# Altium PCB GridSeed_Rev04.PcbDoc (part 3 of 6)
Units mm, origin at the board's own origin, x right, y up, seen from the top; angles counter-clockwise.
Board outline 91 x 132.3 mm, 4 copper layers (L1, L2, L3, L4), stack 1.577 mm thick; 519 components, 141 nets, 2171 pads, 2470 vias.
Unrouted connection lines stored in the file: 1.
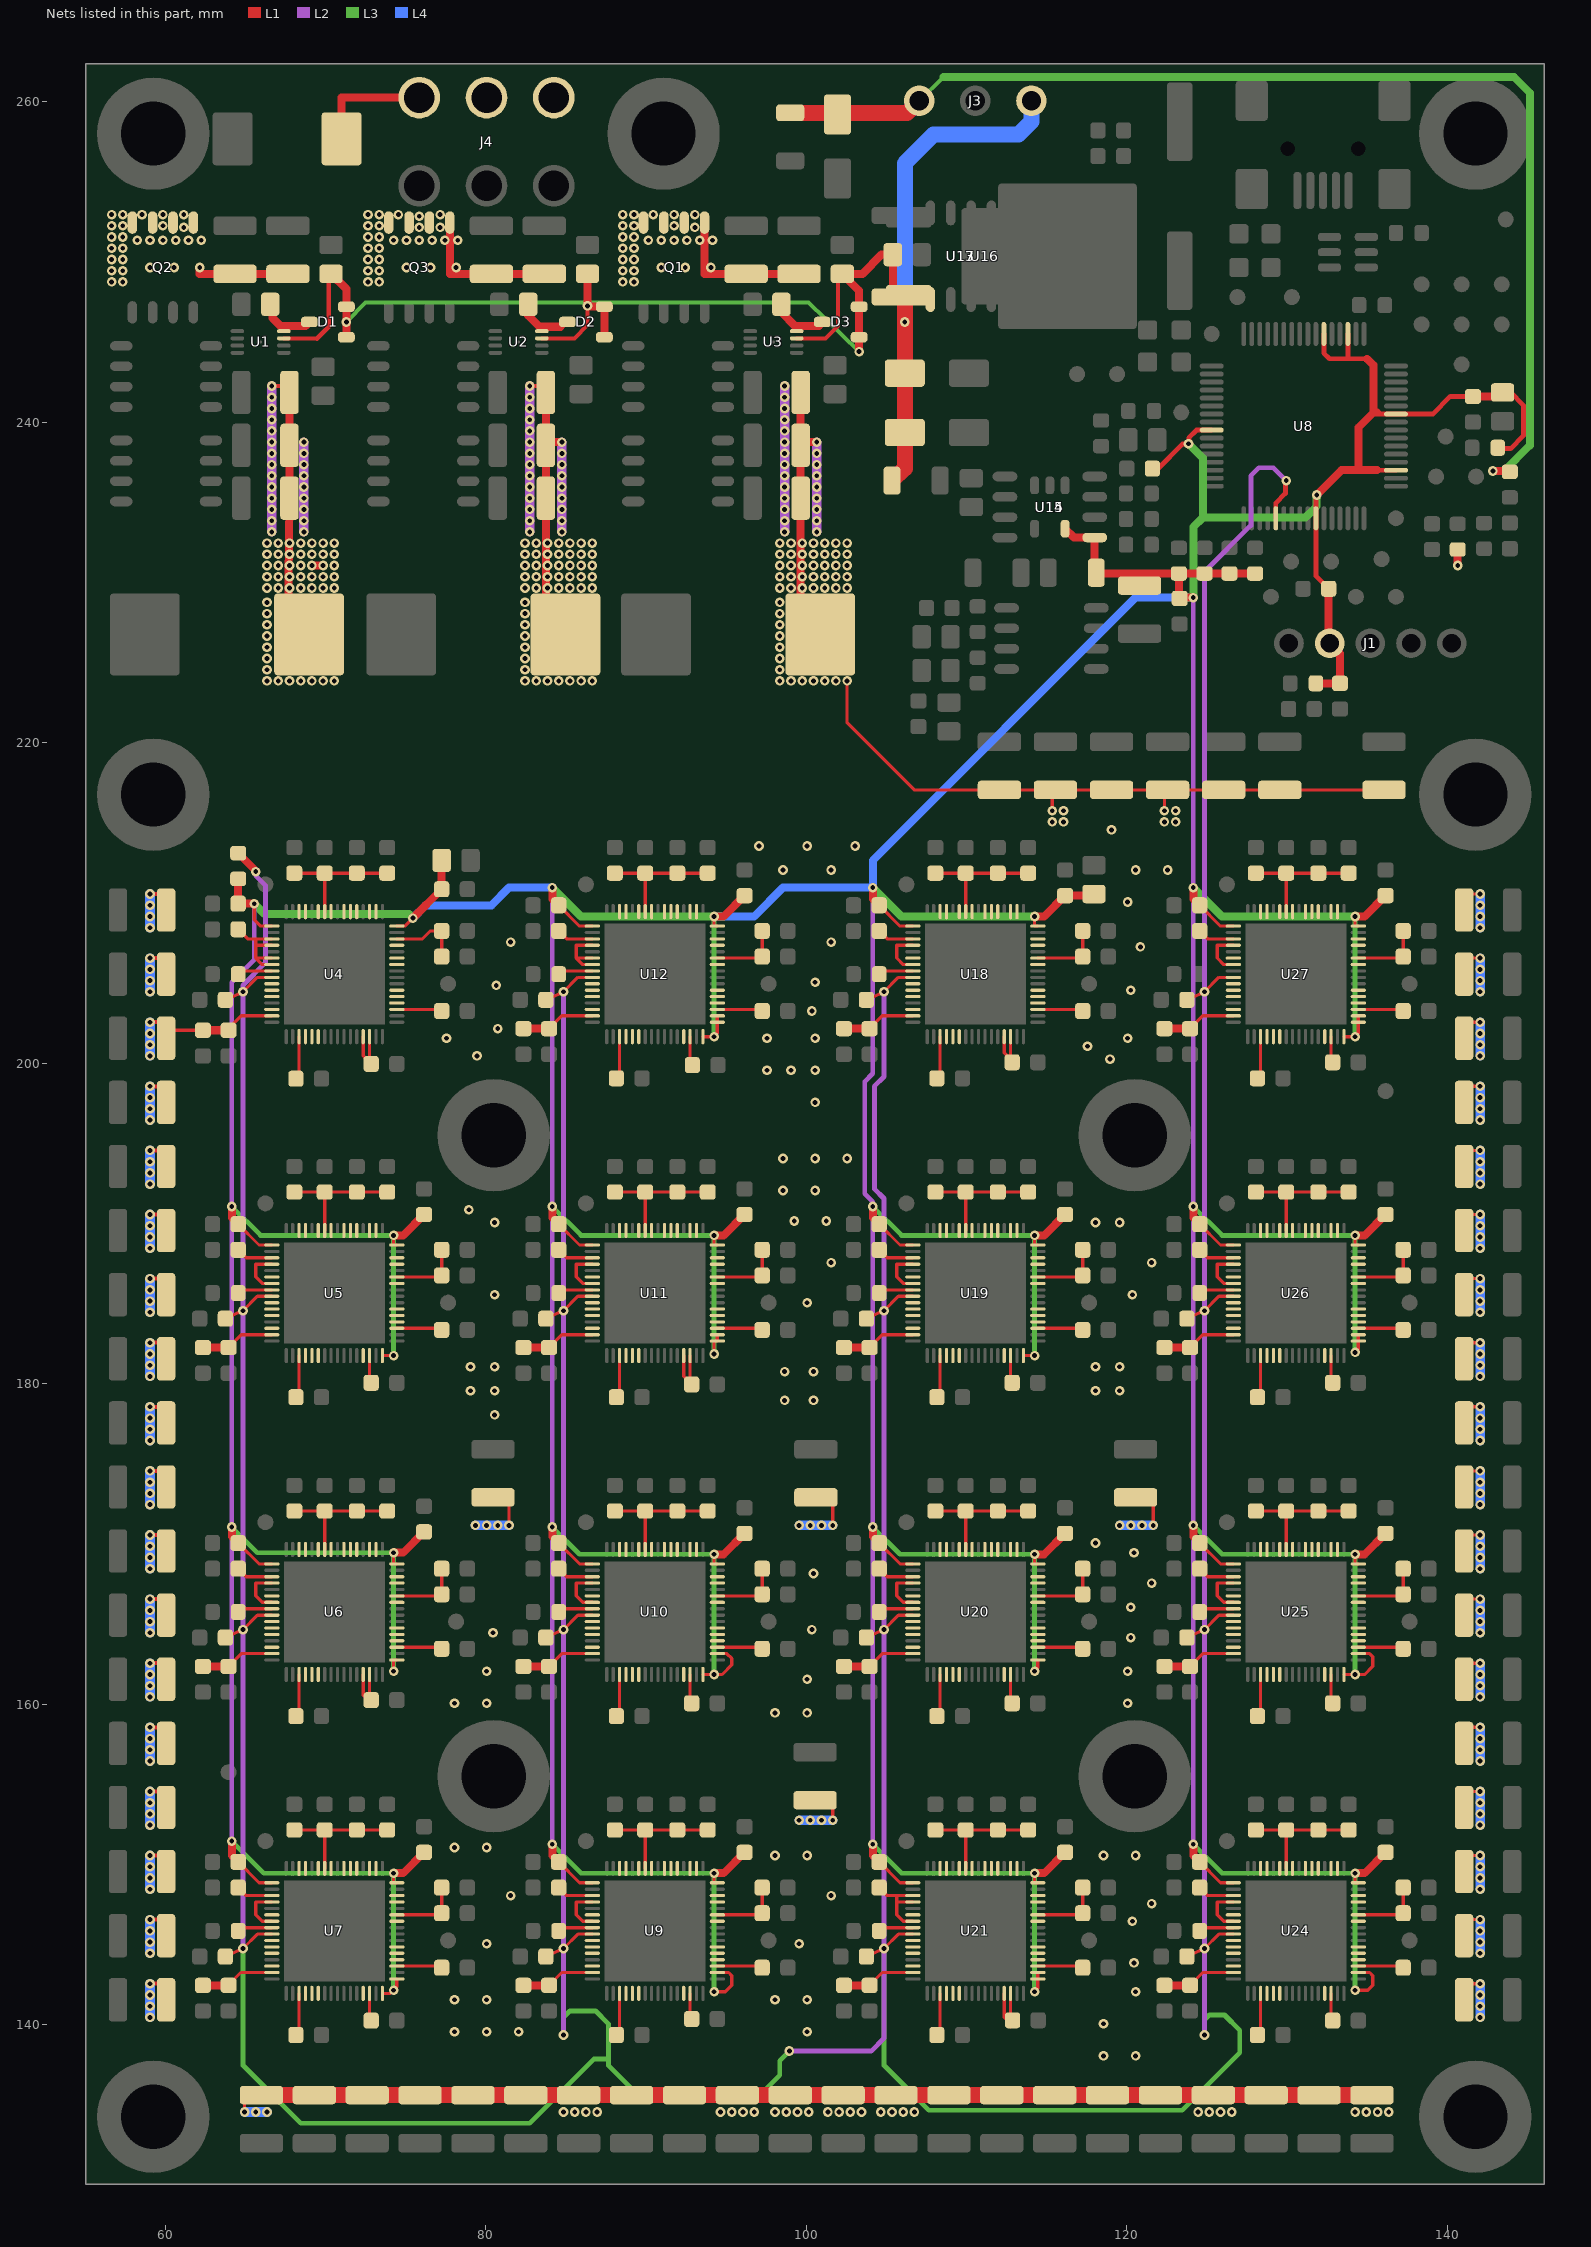
[diagram p5: the nets of this part, all layers, seen from the top]

## Via types
v1: diameter 0.6/0.6/0.6/0.6 (per signal layer), hole 0.3, L1 to L4, 2470 vias

## Nets (pads, with @x,y where several pads share a name; then routed paths per layer and width w, separated by ;. In a path a pad name is that pad's centre, name@x,y a point inside that pad or via, vN(x,y) a via of type N, cw(c..) or ccw(c..) an arc to the next point about the centre after c; other vN are vias at no path point)
1V: C12.2 C13.2 C14.2 C17.2 C18.2 C19.2 C22.2 C23.2 C24.2 C25.2 C26.2 C28.2 C30.2 C31.2 C33.2 C35.2 C36.2 C38.2 C40.2 C41.2 C43.2 C45.2 C46.2 C47.2 C48.2 C49.2 C50.2 C51.2 C52.2 C53.2 C54.2 C55.2 C56.2 C57.2 C58.2 C59.2 C60.2 C61.2 C62.2 C63.2 C64.2 C65.2 C66.2 C67.2 C68.2 C70.2 C71.2 C72.2 C74.2 C75.2 C76.2 C78.2 C79.2 C80.2 C82.2 C83.2 C84.2 C118.2 C119.2 C121.2 C123.2 C124.2 C126.2 C128.2 C129.2 C131.2 C133.2 C134.2 C136.2 C140.2 C141.2 C142.2 C143.2 C144.2 C145.2 C146.2 C147.2 C148.2 C149.2 C150.2 C151.2 C152.2 C153.2 C154.2 C155.2 C156.2 C157.2 C158.2 C159.2 C160.2 C161.2 C162.2 C163.2 C175.2 C176.2 C177.2 C179.2 C180.2 C181.2 C183.2 C184.2 C185.2 C187.2 C188.2 C189.2 C227.2 C228.2 C230.2 C232.2 C233.2 C235.2 C237.2 C238.2 C240.2 C242.2 C243.2 C245.2 C247.2 C248.2 C249.2 C250.2 C251.2 C252.2 C253.2 C254.2 C255.2 C256.2 C257.2 C258.2 C262.2 C263.2 C264.2 C265.2 C266.2 C267.2 C268.2 C269.2 C270.2 C271.2 C272.2 C273.2 C276.2 C277.2 C278.2 C280.2 C281.2 C282.2 C284.2 C285.2 C286.2 C288.2 C289.2 C290.2 C324.2 C325.2 C327.2 C329.2 C330.2 C332.2 C334.2 C335.2 C337.2 C339.2 C340.2 C342.2 C344.2 C345.2 C346.2 C347.2 C348.2 C349.2 C350.2 C351.2 C352.2 C353.2 C354.2 C355.2 C356.2 C357.2 C358.2 C359.2 C360.2 C361.2 C362.2 C363.2 C364.2 C365.2 C366.2 C367.2 C368.2 C369.2 C370.2 C372.2 C373.2 C374.2 C376.2 C377.2 C378.2 C380.2 C381.2 C382.2 C_1.1 C_2.1 C_3.1 C_4.1 C_5.1 C_6.1 C_8.1 C_9.1 C_10.1 C_11.1 C_12.1 C_13.1 C_14.1 C_15.1 C_16.1 C_17.1 C_18.1 C_19.1 C_20.1 C_21.1 C_22.1 C_23.1 C_24.1 C_25.1 C_26.1 C_27.1 C_28.1 C_29.1 C_30.1 C_33.1 C_34.1 C_35.1 C_36.1 C_37.1 C_38.1 C_39.1 C_40.1 C_41.1 C_42.1 C_43.1 C_44.1 C_45.1 C_46.1 C_47.1 C_48.1 C_49.1 C_50.1 C_51.1 C_52.1 C_53.1 C_54.1 C_55.1 C_56.1 C_57.1 C_58.1 C_59.1 C_60.1 C_61.1 C_62.1 C_63.1 C_64.1 C_65.1 C_66.1 C_67.1 C_68.1 C_69.1 C_70.1 C_71.1 C_72.1 L1.2 L2.2 L3.2 R26.2 U4.3 U4.4 U4.5 U4.6 U4.13 U4.14 U4.19 U4.20 U4.21 U4.22 U4.26 U4.27 U4.29 U4.30 U4.34 U4.35 U4.37 U4.38 U4.39 U4.41 U4.42 U4.43 U4.45 U4.46 U4.51 U4.52 U4.54 U4.55 U4.58 U4.59 U4.60 U4.62 U4.63 U5.3 U5.4 U5.5 U5.6 U5.13 U5.14 U5.19 U5.20 U5.21 U5.22 U5.26 U5.27 U5.29 U5.30 U5.34 U5.35 U5.37 U5.38 U5.39 U5.41 U5.42 U5.43 U5.45 U5.46 U5.51 U5.52 U5.54 U5.55 U5.58 U5.59 U5.60 U5.62 U5.63 U6.3 U6.4 U6.5 U6.6 U6.13 U6.14 U6.19 U6.20 U6.21 U6.22 U6.26 U6.27 U6.29 U6.30 U6.34 U6.35 U6.37 U6.38 U6.39 U6.41 U6.42 U6.43 U6.45 U6.46 U6.51 U6.52 U6.54 U6.55 U6.58 U6.59 U6.60 U6.62 U6.63 U7.3 U7.4 U7.5 U7.6 U7.13 U7.14 U7.19 U7.20 U7.21 U7.22 U7.26 U7.27 U7.29 U7.30 U7.34 U7.35 U7.37 U7.38 U7.39 U7.41 U7.42 U7.43 U7.45 U7.46 U7.51 U7.52 U7.54 U7.55 U7.58 U7.59 U7.60 U7.62 U7.63 U9.3 U9.4 U9.5 U9.6 U9.13 U9.14 U9.19 U9.20 U9.21 U9.22 U9.26 U9.27 U9.29 U9.30 U9.34 U9.35 U9.37 U9.38 U9.39 U9.41 U9.42 U9.43 U9.45 U9.46 U9.51 U9.52 U9.54 U9.55 U9.58 U9.59 U9.60 U9.62 U9.63 U10.3 U10.4 U10.5 U10.6 U10.13 U10.14 U10.19 U10.20 U10.21 U10.22 U10.26 U10.27 U10.29 U10.30 U10.34 U10.35 U10.37 U10.38 U10.39 U10.41 U10.42 U10.43 U10.45 U10.46 U10.51 U10.52 U10.54 U10.55 U10.58 U10.59 U10.60 U10.62 U10.63 U11.3 U11.4 U11.5 U11.6 U11.13 U11.14 U11.19 U11.20 U11.21 U11.22 U11.26 U11.27 U11.29 U11.30 U11.34 U11.35 U11.37 U11.38 U11.39 U11.41 U11.42 U11.43 U11.45 U11.46 U11.51 U11.52 U11.54 U11.55 U11.58 U11.59 U11.60 U11.62 U11.63 U12.3 U12.4 U12.5 U12.6 U12.13 U12.14 U12.19 U12.20 U12.21 U12.22 U12.26 U12.27 U12.29 U12.30 U12.34 U12.35 U12.37 U12.38 U12.39 U12.41 U12.42 U12.43 U12.45 U12.46 U12.51 U12.52 U12.54 U12.55 U12.58 U12.59 U12.60 U12.62 U12.63 U18.3 U18.4 U18.5 U18.6 U18.13 U18.14 U18.19 U18.20 U18.21 U18.22 U18.26 U18.27 U18.29 U18.30 U18.34 U18.35 U18.37 U18.38 U18.39 U18.41 U18.42 U18.43 U18.45 U18.46 U18.51 U18.52 U18.54 U18.55 U18.58 U18.59 U18.60 U18.62 U18.63 U19.3 U19.4 U19.5 U19.6 U19.13 U19.14 U19.19 U19.20 U19.21 U19.22 U19.26 U19.27 U19.29 U19.30 U19.34 U19.35 U19.37 U19.38 U19.39 U19.41 U19.42 U19.43 U19.45 U19.46 U19.51 U19.52 U19.54 U19.55 U19.58 U19.59 U19.60 U19.62 U19.63 U20.3 U20.4 U20.5 U20.6 U20.13 U20.14 U20.19 U20.20 U20.21 U20.22 U20.26 U20.27 U20.29 U20.30 U20.34 U20.35 U20.37 U20.38 U20.39 U20.41 U20.42 U20.43 U20.45 U20.46 U20.51 U20.52 U20.54 U20.55 U20.58 U20.59 U20.60 U20.62 U20.63 U21.3 U21.4 U21.5 U21.6 U21.13 U21.14 U21.19 U21.20 U21.21 U21.22 U21.26 U21.27 U21.29 U21.30 U21.34 U21.35 U21.37 U21.38 U21.39 U21.41 U21.42 U21.43 U21.45 U21.46 U21.51 U21.52 U21.54 U21.55 U21.58 U21.59 U21.60 U21.62 U21.63 U24.3 U24.4 U24.5 U24.6 U24.13 U24.14 U24.19 U24.20 U24.21 U24.22 U24.26 U24.27 U24.29 U24.30 U24.34 U24.35 U24.37 U24.38 U24.39 U24.41 U24.42 U24.43 U24.45 U24.46 U24.51 U24.52 U24.54 U24.55 U24.58 U24.59 U24.60 U24.62 U24.63 U25.3 U25.4 U25.5 U25.6 U25.13 U25.14 U25.19 U25.20 U25.21 U25.22 U25.26 U25.27 U25.29 U25.30 U25.34 U25.35 U25.37 U25.38 U25.39 U25.41 U25.42 U25.43 U25.45 U25.46 U25.51 U25.52 U25.54 U25.55 U25.58 U25.59 U25.60 U25.62 U25.63 U26.3 U26.4 U26.5 U26.6 U26.13 U26.14 U26.19 U26.20 U26.21 U26.22 U26.26 U26.27 U26.29 U26.30 U26.34 U26.35 U26.37 U26.38 U26.39 U26.41 U26.42 U26.43 U26.45 U26.46 U26.51 U26.52 U26.54 U26.55 U26.58 U26.59 U26.60 U26.62 U26.63 U27.3 U27.4 U27.5 U27.6 U27.13 U27.14 U27.19 U27.20 U27.21 U27.22 U27.26 U27.27 U27.29 U27.30 U27.34 U27.35 U27.37 U27.38 U27.39 U27.41 U27.42 U27.43 U27.45 U27.46 U27.51 U27.52 U27.54 U27.55 U27.58 U27.59 U27.60 U27.62 U27.63 | length 883
  L1 w0.2: C_2.1@60.05,201.977 60.123,202.05 C26.2@62.35,202.05 ; C25.2@63.85,202.05 63.9,202.1 64.75,202.95 U4.63@66.65,202.95 ; C40.2@63.922,142.45 64.722,143.25 U7.63@66.65,143.25 ; C35.2@63.95,162.35 64.75,163.15 U6.63@66.65,163.15 ; C30.2@63.95,182.25 64.75,183.05 U5.63@66.65,183.05 ; C43.2@64.55,148.55 65.05,148.05 U7.51@66.65,148.05 ; C38.2@64.55,168.45 65.05,167.95 U6.51@66.65,167.95 ; C33.2@64.55,188.35 65.05,187.85 U5.51@66.65,187.85 ; C28.2@64.55,208.35 65.15,207.75 65.641,207.75 ; v1(64.95,134.55) 64.95,135.6 C_13.1@66,135.6 ; U7.55@66.65,146.45 66.05,146.45 65.641,146.859 65.641,147.65 U7.52@66.65,147.65 ; U6.55@66.65,166.35 66.05,166.35 65.641,166.759 65.641,167.55 U6.52@66.65,167.55 ; U5.55@66.65,186.25 66.05,186.25 65.641,186.659 65.641,187.45 U5.52@66.65,187.45 ; U4.55@66.65,206.15 66.05,206.15 65.65,206.55 ; U4.54@66.65,206.55 65.65,206.55 ; U4.52@66.65,207.35 65.641,207.35 ; U4.51@66.65,207.75 65.641,207.75 ; C52.2@68.05,152.15 C56.2@69.95,152.15 ; C50.2@68.05,172.05 C55.2@69.95,172.05 ; C48.2@68.05,191.95 C54.2@69.95,191.95 ; C46.2@68.05,211.85 C53.2@69.95,211.85 ; C51.2@68.15,139.35 68.25,139.35 68.35,139.25 U7.3@68.35,141.95 ; C49.2@68.15,159.25 68.25,159.25 68.35,159.15 U6.3@68.35,161.85 ; C47.2@68.15,179.15 68.25,179.15 68.35,179.05 U5.3@68.35,181.75 ; C45.2@68.15,199.027 68.35,199.027 U4.3@68.35,201.65 ; U7.42@69.95,149.75 C56.2@69.95,152.15 ; U6.42@69.95,169.65 C55.2@69.95,172.05 ; U5.42@69.95,189.55 C54.2@69.95,191.95 ; U4.42@69.95,209.45 C53.2@69.95,211.85 ; U6.13@72.35,161.85 72.35,160.55 C63.2@72.75,160.15 ; U4.13@72.35,201.65 72.35,200.45 72.55,200.25 C61.2@72.75,200.25 ; U7.14@72.75,141.95 72.75,140.25 C64.2@72.85,140.25 ; U6.14@72.75,161.85 C63.2@72.75,160.15 ; U5.14@72.75,181.75 72.75,180.05 C62.2@72.85,180.05 ; U4.14@72.75,201.65 C61.2@72.75,200.25 ; C63.2@72.85,160.25 72.75,160.05 C63.2@72.75,160.15 ; C61.2@72.85,199.95 72.75,200.05 C61.2@72.75,200.25 ; C68.2@73.85,152.15 C60.2@71.95,152.15 C56.2@69.95,152.15 ; C67.2@73.85,172.05 C55.2@69.95,172.05 ; C66.2@73.85,191.95 C58.2@71.95,191.95 C54.2@69.95,191.95 ; C65.2@73.85,211.85 C57.2@71.95,211.85 C53.2@69.95,211.85 ; U7.19@74.45,143.65 77.15,143.65 C82.2@77.25,143.55 ; U7.27@74.45,146.85 77.25,146.85 C83.2@77.25,146.95 C84.2@77.25,148.55 ; U6.19@74.45,163.55 77.45,163.55 C78.2@77.25,163.45 ; U6.27@74.45,166.75 77.25,166.75 C79.2@77.25,166.85 C80.2@77.25,168.45 ; U5.19@74.45,183.45 77.45,183.45 C74.2@77.25,183.35 ; U5.27@74.45,186.65 77.25,186.65 C75.2@77.25,186.75 C76.2@77.25,188.35 ; U4.19@74.45,203.35 77.45,203.35 C70.2@77.25,203.25 ; U4.30@74.45,207.75 76.05,207.75 76.55,208.25 C72.2@77.25,208.25 C71.2@77.25,206.65 ; C_35.1@80.45,172.9 81.45,172.9 v1(81.45,171.15) ; C118.2@83.95,142.45 84.75,143.25 U9.63@86.65,143.25 ; C123.2@83.95,162.35 84.75,163.15 U10.63@86.65,163.15 ; C128.2@83.95,182.25 84.75,183.05 U11.63@86.65,183.05 ; C133.2@83.95,202.15 84.75,202.95 U12.63@86.65,202.95 ; C121.2@84.55,148.55 85.05,148.05 U9.51@86.65,148.05 ; C126.2@84.55,168.45 85.05,167.95 U10.51@86.65,167.95 ; C131.2@84.55,188.35 85.05,187.85 U11.51@86.65,187.85 ; C136.2@84.55,208.25 85.05,207.75 U12.51@86.65,207.75 ; U9.55@86.65,146.45 86.05,146.45 85.641,146.859 85.641,147.65 U9.52@86.65,147.65 ; U10.55@86.65,166.35 86.05,166.35 85.641,166.759 85.641,167.55 U10.52@86.65,167.55 ; U11.55@86.65,186.25 86.05,186.25 85.641,186.659 85.641,187.45 U11.52@86.65,187.45 ; U12.55@86.65,206.15 86.05,206.15 85.65,206.55 ; U12.54@86.65,206.55 85.65,206.55 ; U12.52@86.65,207.35 85.641,207.35 85.641,206.559 85.65,206.55 ; C141.2@88.05,152.15 C148.2@89.95,152.15 ; C143.2@88.05,172.05 C149.2@89.95,172.05 ; C145.2@88.05,191.95 C150.2@89.95,191.95 ; C147.2@88.05,211.85 C151.2@89.95,211.85 ; C140.2@88.15,139.35 88.25,139.35 88.35,139.25 U9.3@88.35,141.95 ; C142.2@88.15,159.25 88.25,159.25 88.35,159.15 U10.3@88.35,161.85 ; C144.2@88.15,179.15 88.25,179.15 88.35,179.05 U11.3@88.35,181.75 ; C146.2@88.15,199.05 88.25,199.05 88.35,198.95 U12.3@88.35,201.65 ; U9.42@89.95,149.75 C148.2@89.95,152.15 ; U10.42@89.95,169.65 C149.2@89.95,172.05 ; U11.42@89.95,189.55 C150.2@89.95,191.95 ; U12.42@89.95,209.45 C151.2@89.95,211.85 ; U11.13@92.35,181.75 92.35,180.45 C158.2@92.75,180.05 ; U9.14@92.75,141.95 92.75,140.346 92.754,140.35 C156.2@92.85,140.35 ; U10.14@92.75,161.85 92.75,160.05 C157.2@92.85,160.05 ; U11.14@92.75,181.75 C158.2@92.75,180.05 ; U12.14@92.75,201.65 92.75,200.053 C159.2@92.892,199.878 ; C158.2@92.85,179.95 C158.2@92.75,180.05 ; C160.2@93.85,152.15 C152.2@91.95,152.15 C148.2@89.95,152.15 ; C161.2@93.85,172.05 C149.2@89.95,172.05 ; C162.2@93.85,191.95 C154.2@91.95,191.95 C150.2@89.95,191.95 ; C163.2@93.85,211.85 C155.2@91.95,211.85 C151.2@89.95,211.85 ; U9.19@94.45,143.65 97.45,143.65 C175.2@97.25,143.55 ; U9.27@94.45,146.85 97.25,146.85 C177.2@97.25,148.55 ; U10.19@94.45,163.55 97.25,163.55 C179.2@97.25,163.45 ; U10.27@94.45,166.75 97.25,166.75 C181.2@97.25,168.45 ; U11.19@94.45,183.45 97.45,183.45 C183.2@97.25,183.35 ; U11.27@94.45,186.65 97.25,186.65 C185.2@97.25,188.35 ; U12.19@94.45,203.35 97.45,203.35 C187.2@97.25,203.25 ; U12.27@94.45,206.55 97.25,206.55 C189.2@97.25,208.25 ; C_39.1@100.55,154 100.55,153.95 101.65,153.95 v1(101.65,152.75) ; C_48.1@100.6,172.9 101.65,172.9 v1(101.65,171.15) ; v1(102.55,223.85) 102.55,221.23 106.73,217.05 C_28.1@112.05,217.05 C_52.1@115.35,217.05 ; C242.2@103.95,142.45 104.75,143.25 U21.63@106.65,143.25 ; C237.2@103.95,162.35 104.75,163.15 U20.63@106.65,163.15 ; C232.2@103.95,182.25 104.75,183.05 U19.63@106.65,183.05 ; C227.2@103.95,202.15 104.75,202.95 U18.63@106.65,202.95 ; C245.2@104.55,148.55 105.05,148.05 105.641,148.05 ; C240.2@104.55,168.45 105.05,167.95 U20.51@106.65,167.95 ; C235.2@104.55,188.35 105.05,187.85 U19.51@106.65,187.85 ; C230.2@104.55,208.25 105.05,207.75 U18.51@106.65,207.75 ; U21.55@106.65,146.45 106.05,146.45 105.641,146.859 105.641,147.65 ; U21.52@106.65,147.65 105.641,147.65 ; U21.51@106.65,148.05 105.641,148.05 ; U20.55@106.65,166.35 106.05,166.35 105.641,166.759 105.641,167.55 U20.52@106.65,167.55 ; U19.55@106.65,186.25 106.05,186.25 105.641,186.659 105.641,187.45 U19.52@106.65,187.45 ; U18.55@106.65,206.15 106.05,206.15 105.641,206.559 105.641,207.35 U18.52@106.65,207.35 ; C254.2@108.05,152.15 C258.2@109.95,152.15 ; C252.2@108.05,172.05 C257.2@109.95,172.05 ; C250.2@108.05,191.95 C256.2@109.95,191.95 ; C248.2@108.05,211.85 C255.2@109.95,211.85 ; C253.2@108.15,139.35 108.25,139.35 108.35,139.25 U21.3@108.35,141.95 ; C251.2@108.15,159.25 108.25,159.25 108.35,159.15 U20.3@108.35,161.85 ; C249.2@108.15,179.15 108.25,179.15 108.35,179.05 U19.3@108.35,181.75 ; C247.2@108.15,199.05 108.25,199.05 108.35,198.95 U18.3@108.35,201.65 ; U21.42@109.95,149.75 C258.2@109.95,152.15 ; U20.42@109.95,169.65 C257.2@109.95,172.05 ; U19.42@109.95,189.55 C256.2@109.95,191.95 ; U18.42@109.95,209.45 C255.2@109.95,211.85 ; U21.13@112.35,141.95 112.35,140.45 C269.2@112.75,140.05 ; U18.13@112.35,201.65 112.35,200.65 112.55,200.45 C266.2@112.75,200.45 ; U21.14@112.75,141.95 C269.2@112.75,140.05 ; U20.14@112.75,161.85 112.75,160.05 C268.2@112.85,160.05 ; U19.14@112.75,181.75 112.75,180.05 C267.2@112.85,180.05 ; U18.14@112.75,201.65 C266.2@112.75,200.45 ; C266.2@112.85,200.05 112.75,200.15 C266.2@112.75,200.45 ; C269.2@112.874,140.269 112.75,139.869 C269.2@112.75,140.05 ; C273.2@113.85,152.15 C265.2@111.95,152.15 C258.2@109.95,152.15 ; C272.2@113.85,172.05 C257.2@109.95,172.05 ; C271.2@113.85,191.95 C263.2@111.95,191.95 C256.2@109.95,191.95 ; C270.2@113.85,211.85 C262.2@111.95,211.85 C255.2@109.95,211.85 ; U21.19@114.45,143.65 117.45,143.65 C288.2@117.25,143.55 ; U21.27@114.45,146.85 117.25,146.85 C290.2@117.25,148.55 ; U20.19@114.45,163.55 117.45,163.55 C284.2@117.25,163.45 ; U20.27@114.45,166.75 117.25,166.75 C286.2@117.25,168.45 ; U19.19@114.45,183.45 117.45,183.45 C280.2@117.25,183.35 ; U19.27@114.45,186.65 117.25,186.65 C282.2@117.25,188.35 ; U18.19@114.45,203.35 117.45,203.35 C276.2@117.25,203.25 ; U18.27@114.45,206.55 117.25,206.55 C278.2@117.25,208.25 ; v1(115.35,215.75) C_52.1@115.35,217.05 ; C_6.1@120.55,172.9 121.65,172.9 v1(121.65,171.15) ; v1(122.35,215.75) C_46.1@122.35,217.05 ; C324.2@123.95,142.45 124.75,143.25 U24.63@126.65,143.25 ; C329.2@123.95,162.35 124.75,163.15 U25.63@126.65,163.15 ; C334.2@123.95,182.25 124.75,183.05 U26.63@126.65,183.05 ; C339.2@123.95,202.15 124.75,202.95 U27.63@126.65,202.95 ; C327.2@124.55,148.55 125.05,148.05 U24.51@126.65,148.05 ; C332.2@124.55,168.45 125.05,167.95 U25.51@126.65,167.95 ; C337.2@124.55,188.35 125.05,187.85 U26.51@126.65,187.85 ; C342.2@124.55,208.25 125.05,207.75 U27.51@126.65,207.75 ; U24.55@126.65,146.45 126.05,146.45 125.641,146.859 125.641,147.65 U24.52@126.65,147.65 ; U25.55@126.65,166.35 126.05,166.35 125.641,166.759 125.641,167.55 U25.52@126.65,167.55 ; U26.55@126.65,186.25 126.05,186.25 125.641,186.659 125.641,187.45 U26.52@126.65,187.45 ; U27.55@126.65,206.15 126.05,206.15 125.641,206.559 125.641,207.35 U27.52@126.65,207.35 ; C345.2@128.05,152.15 C352.2@129.95,152.15 ; C347.2@128.05,172.05 C353.2@129.95,172.05 ; C349.2@128.05,191.95 C354.2@129.95,191.95 ; C351.2@128.05,211.85 C355.2@129.95,211.85 ; C344.2@128.15,139.35 128.25,139.35 128.35,139.25 U24.3@128.35,141.95 ; C346.2@128.15,159.25 128.25,159.25 128.35,159.15 U25.3@128.35,161.85 ; C348.2@128.15,179.15 128.25,179.15 128.35,179.05 U26.3@128.35,181.75 ; C350.2@128.15,199.05 128.25,199.05 128.35,198.95 U27.3@128.35,201.65 ; U24.42@129.95,149.75 C352.2@129.95,152.15 ; U25.42@129.95,169.65 C353.2@129.95,172.05 ; U26.42@129.95,189.55 C354.2@129.95,191.95 ; U27.42@129.95,209.45 C355.2@129.95,211.85 ; U24.14@132.75,141.95 132.75,140.25 C360.2@132.85,140.25 ; U25.14@132.75,161.85 132.75,160.05 C361.2@132.85,160.05 ; U26.14@132.75,181.75 132.75,180.15 C362.2@132.85,180.05 ; U27.14@132.75,201.65 132.75,200.05 C366.2@132.85,200.05 ; C363.2@133.85,152.15 C356.2@131.95,152.15 C352.2@129.95,152.15 ; C364.2@133.85,172.05 C353.2@129.95,172.05 ; C365.2@133.85,191.95 C358.2@131.95,191.95 C354.2@129.95,191.95 ; C367.2@133.85,211.85 C359.2@131.95,211.85 C355.2@129.95,211.85 ; U24.19@134.45,143.65 137.45,143.65 C368.2@137.25,143.55 ; U24.27@134.45,146.85 137.25,146.85 C369.2@137.25,146.95 C370.2@137.25,148.55 ; U25.19@134.45,163.55 137.15,163.55 C372.2@137.25,163.45 ; U25.27@134.45,166.75 137.25,166.75 C373.2@137.25,166.85 C374.2@137.25,168.45 ; U26.19@134.45,183.45 137.45,183.45 C376.2@137.25,183.35 ; U26.27@134.45,186.65 137.25,186.65 C377.2@137.25,186.75 C378.2@137.25,188.35 ; U27.19@134.45,203.35 137.45,203.35 C380.2@137.25,203.25 ; U27.27@134.45,206.55 137.25,206.55 C381.2@137.25,206.65 C382.2@137.25,208.25 ; C_21.1@136.05,217.05 C_14.1@129.55,217.05 C_38.1@126.05,217.05 C_46.1@122.55,217.05 C_46.1@122.35,217.05 ; C_42.1@141.05,141.55 141.05,142.55 v1(142.05,142.55) ; C_49.1@141.05,145.55 141.05,146.55 v1(142.05,146.55) ; C_55.1@141.05,149.55 141.05,150.55 v1(142.05,150.55) ; C_56.1@141.05,153.55 141.05,154.55 v1(142.05,154.55) ; C_63.1@141.05,157.55 141.05,158.55 v1(142.05,158.55) ; C_62.1@141.05,161.55 141.05,162.55 v1(142.05,162.55) ; C_61.1@141.05,165.55 141.05,166.55 v1(142.05,166.55) ; C_60.1@141.05,169.55 141.05,170.55 v1(142.05,170.55) ; C_59.1@141.05,173.55 141.05,174.55 v1(142.05,174.55) ; C_66.1@141.05,177.55 141.05,178.55 v1(142.05,178.55) ; C_67.1@141.05,181.55 141.05,182.55 v1(142.05,182.55) ; C_68.1@141.05,185.55 141.05,186.55 v1(142.05,186.55) ; C_69.1@141.05,189.55 141.05,190.55 v1(142.05,190.55) ; C_70.1@141.05,193.55 141.05,194.55 v1(142.05,194.55) ; C_71.1@141.05,197.55 141.05,198.55 v1(142.05,198.55) ; C_64.1@141.05,201.55 141.05,202.55 v1(142.05,202.55) ; C_57.1@141.05,205.55 141.05,206.55 v1(142.05,206.55) ; C_50.1@141.05,209.55 141.05,210.55 v1(142.05,210.55) ; 65.641,207.35 65.641,206.559 65.65,206.55 ; 65.641,207.35 65.641,207.75 ; 105.641,147.65 105.641,148.05 ; C_52.1@115.35,217.05 C_52.1@115.55,217.05 C_45.1@119.05,217.05 C_46.1@122.35,217.05
  L1 w0.25: v1(59.05,142.55) 60.05,142.55 C_43.1@60.05,141.55 ; v1(59.05,146.55) 60.05,146.55 C_36.1@60.05,145.55 ; v1(59.05,150.55) 60.05,150.55 C_29.1@60.05,149.55 ; v1(59.05,154.55) 60.05,154.55 C_22.1@60.05,153.55 ; v1(59.05,158.55) 60.05,158.55 C_15.1@60.05,157.55 ; v1(59.05,162.55) 60.05,162.55 C_8.1@60.05,161.55 ; v1(59.05,166.55) 60.05,166.55 C_9.1@60.05,165.55 ; v1(59.05,170.55) 60.05,170.55 C_16.1@60.05,169.55 ; v1(59.05,174.55) 60.05,174.55 C_23.1@60.05,173.55 ; v1(59.05,178.55) 60.05,178.55 C_30.1@60.05,177.55 ; v1(59.05,182.55) 60.05,182.55 C_37.1@60.05,181.55 ; v1(59.05,186.55) 60.05,186.55 C_44.1@60.05,185.55 ; v1(59.05,190.55) 60.05,190.55 C_51.1@60.05,189.55 ; v1(59.05,194.55) 60.05,194.55 C_58.1@60.05,193.55 ; v1(59.05,198.55) 60.05,198.55 C_1.1@60.05,197.55 ; v1(59.05,202.55) 60.05,202.55 60.05,201.977 C_2.1@60.05,201.55 ; v1(59.05,206.55) 60.05,206.55 C_65.1@60.05,205.55 ; v1(59.05,210.55) 60.05,210.55 C_72.1@60.05,209.55 ; v1(66.65,242.25) C14.2@67.65,242.25 ; v1(82.75,242.25) 83.75,242.25 C19.2@83.75,241.85
  L1 w0.5: C41.2@62.35,142.45 63.922,142.45 C40.2@63.95,142.45 ; C36.2@62.35,162.35 C35.2@63.95,162.35 ; C31.2@62.35,182.25 C30.2@63.95,182.25 ; C26.2@62.35,202.05 63.85,202.05 C25.2@63.95,202.05 ; C14.2@67.65,242.25 C14.2@67.75,241.85 C13.2@67.75,235.25 67.717,232.45 67.709,231.75 67.701,231.051 67.692,230.351 67.684,229.651 67.65,226.766 67.65,226.75 L1.2@68.975,226.75 ; v1(69.15,231.05) v1(69.85,231.05) ; C119.2@82.35,142.45 C118.2@83.95,142.45 ; C124.2@82.35,162.35 C123.2@83.95,162.35 ; C129.2@82.35,182.25 C128.2@83.95,182.25 ; C134.2@82.35,202.15 C133.2@83.95,202.15 ; C19.2@83.75,241.85 C17.2@83.75,238.75 ; v1(84.75,238.75) C17.2@83.75,238.75 ; L2.2@84.975,226.75 84.875,226.85 83.75,226.85 83.75,230.35 C18.2@83.75,235.25 C17.2@83.75,238.55 C17.2@83.75,238.75 ; C22.2@99.65,241.85 C23.2@99.65,238.75 ; v1(100.65,238.75) C23.2@99.65,238.75 ; L3.2@100.875,226.75 99.65,226.75 C24.2@99.65,235.25 C23.2@99.65,238.55 C23.2@99.65,238.75 ; C243.2@102.35,142.45 C242.2@103.95,142.45 ; C238.2@102.35,162.35 C237.2@103.95,162.35 ; C233.2@102.35,182.25 C232.2@103.95,182.25 ; C228.2@102.35,202.15 C227.2@103.95,202.15 ; C325.2@122.35,142.45 C324.2@123.95,142.45 ; C330.2@122.35,162.35 C329.2@123.95,162.35 ; C335.2@122.35,182.25 C334.2@123.95,182.25 ; C340.2@122.35,202.15 C339.2@123.95,202.15 ; v1(140.65,231.05) R26.2@140.65,232.05